# Altium PCB DIOT_PSU_integrated.PcbDoc (part 2 of 3) (continued)
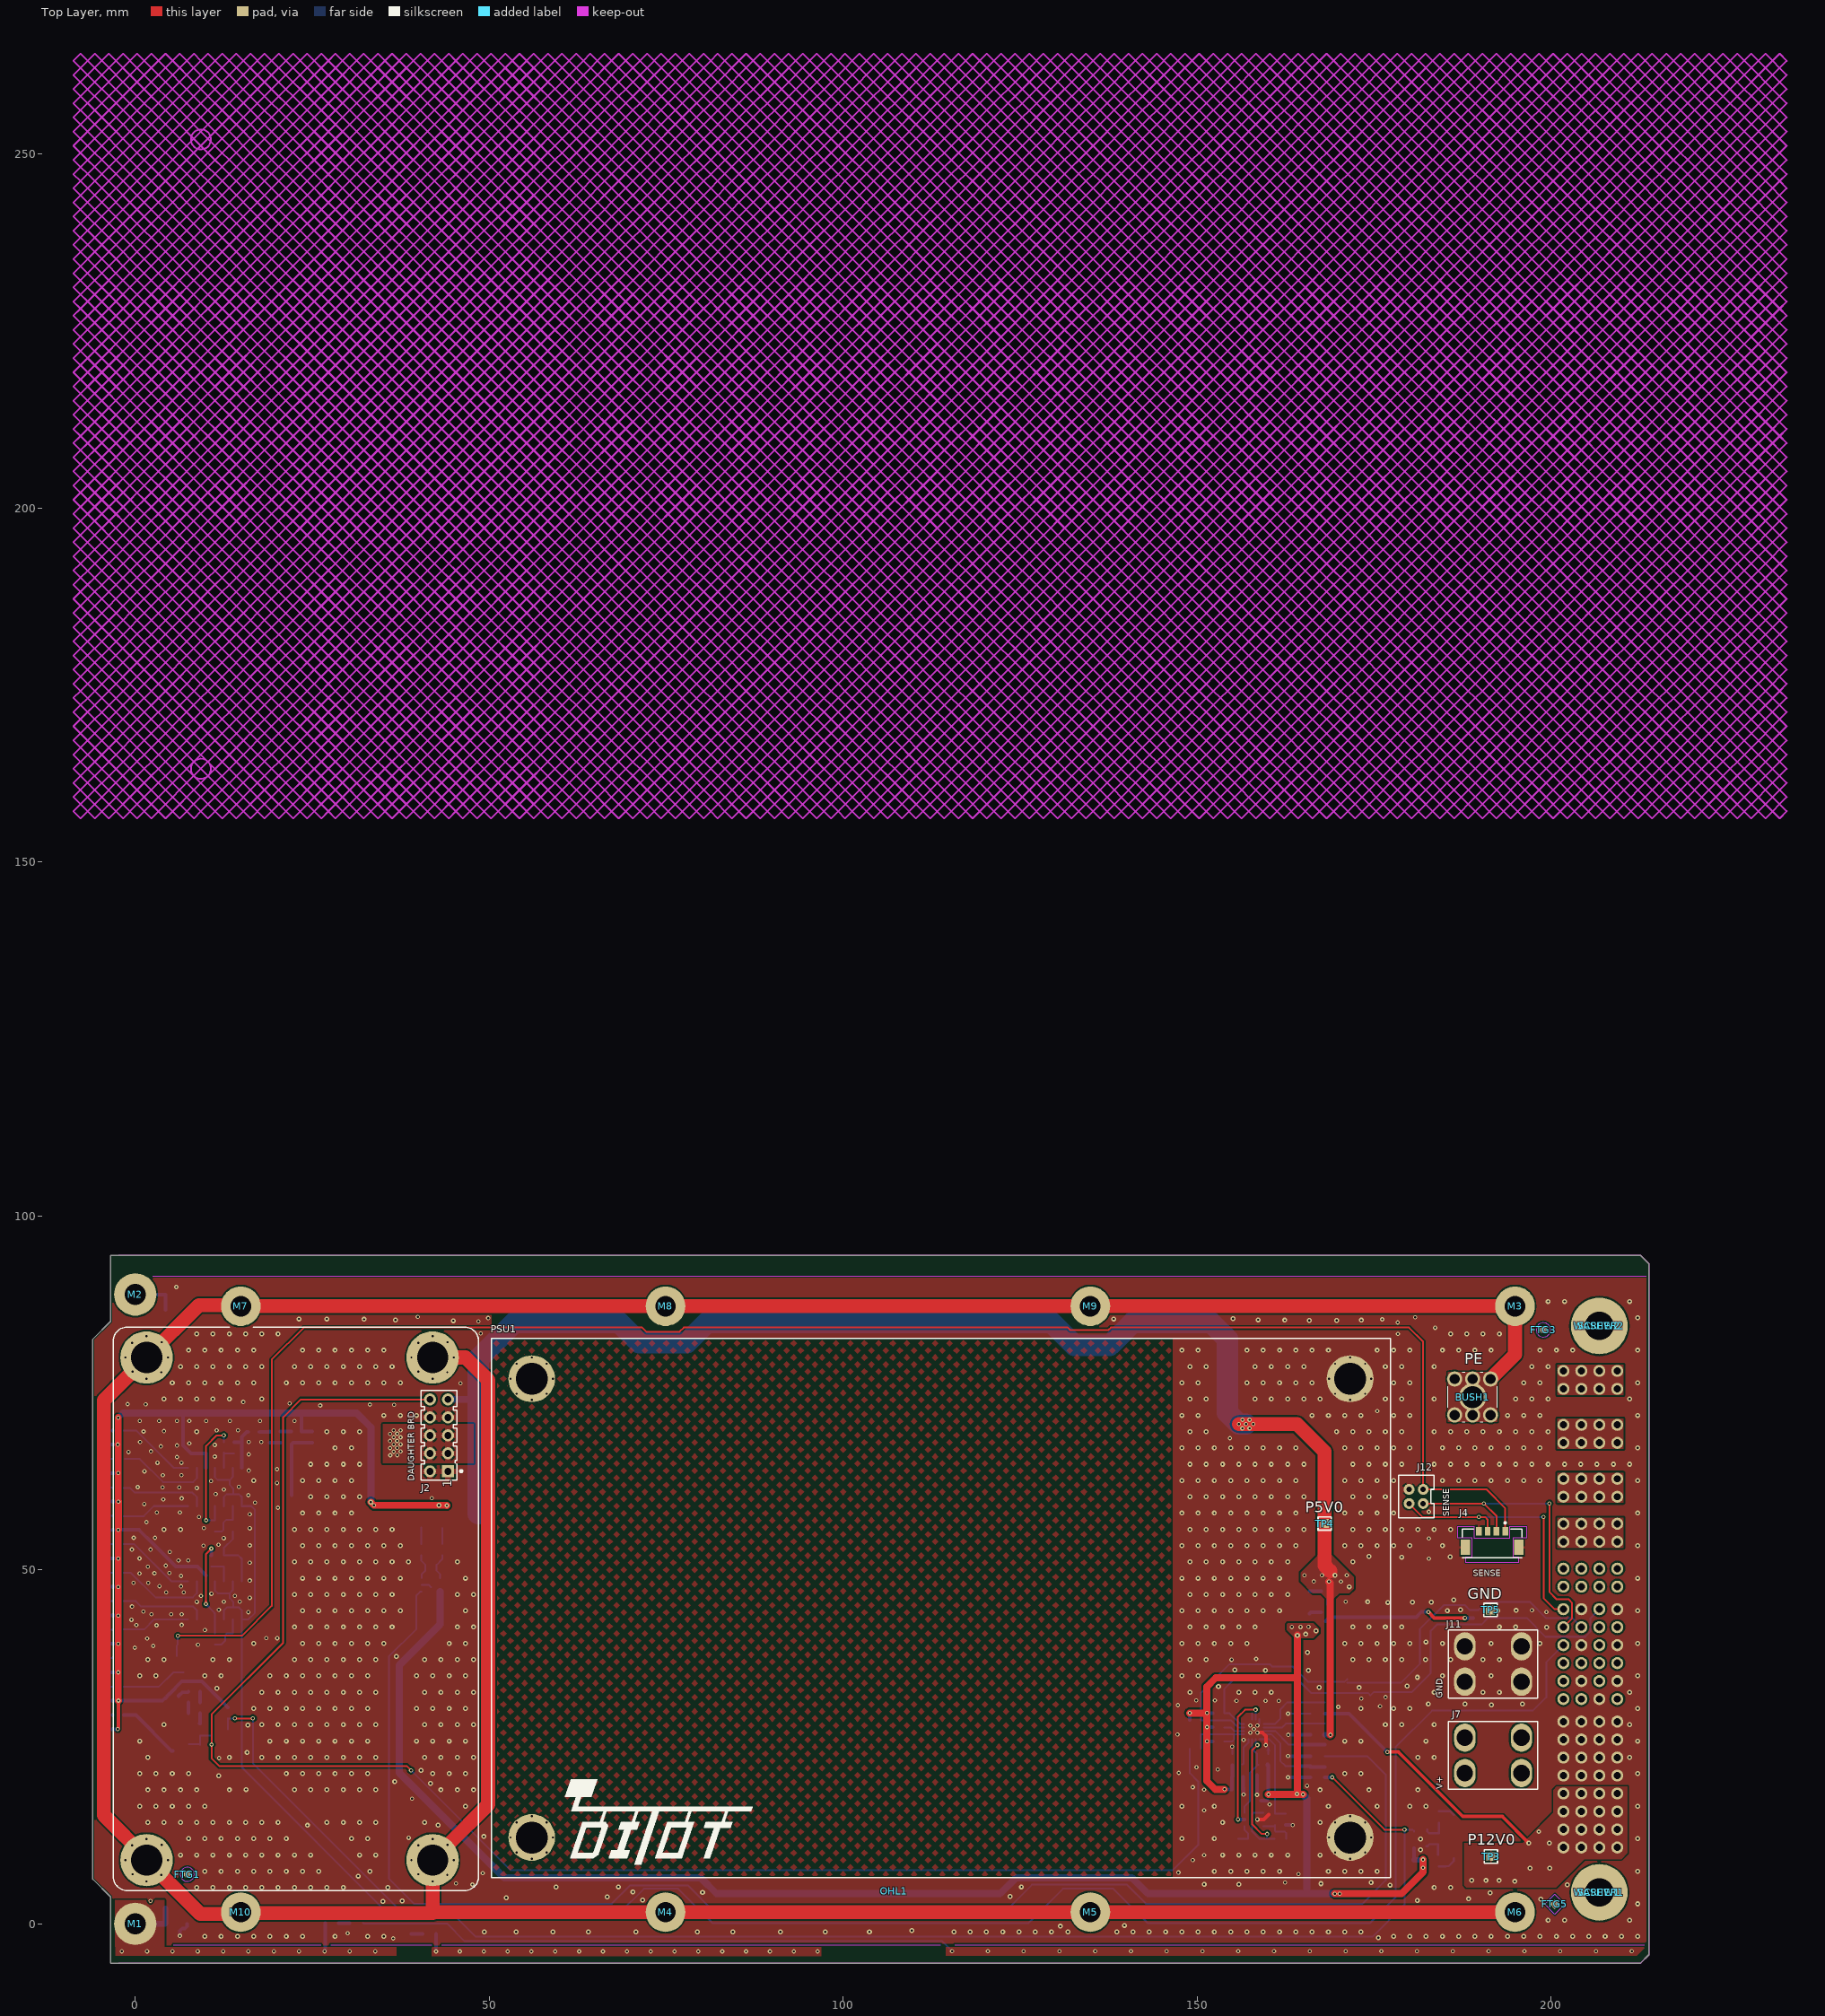
[diagram p0: Top Layer view]
## Nets (pads, with @x,y where several pads share a name; then routed paths per layer and width w, separated by ;. In a path a pad name is that pad's centre, name@x,y a point inside that pad or via, vN(x,y) a via of type N, cw(c..) or ccw(c..) an arc to the next point about the centre after c; other vN are vias at no path point) (continued)
NetIC1_1: IC1.1 R7.1 | length 11.2
  Bottom Layer w0.254: R7.1@-1.605,69.7 0.134,69.7 2.454,67.38 2.461,67.38 5.41,64.431 5.41,64.4 IC1.1@7.425,64.4
NetIC1_2: IC1.2 R15.1 | length 13.2
  Bottom Layer w0.254: R15.1@-1.52,65.68 0.641,65.68 3.9,62.421 8.171,62.421 8.695,62.945 IC1.2@8.695,64.4
NetIC1_5: IC1.5 R14.2 R16.1 | length 3.7
  Bottom Layer w0.254: R16.1@12.5,66.45 R14.2@14,66.45 ; IC1.5@12.505,64.4 R16.1@12.505,66.603
NetIC1_9: IC1.9 R37.2 R39.1 | length 5.7
  Bottom Layer w0.254: R37.2@11.25,55.45 12.244,55.45 12.46,55.667 12.46,56.71 12.8,57.05 R39.1@13.75,57.05 13.75,58.975 IC1.9@13.775,59
NetIC1_13: IC1.13 R36.1 | length 12.1
  Bottom Layer w0.254: R36.1@-1.605,61.59 -0.743,61.59 -0.077,60.924 8.076,60.924 8.695,60.305 IC1.13@8.695,59
NetIC1_14: IC1.14 R38.1 | length 9.6
  Bottom Layer w0.254: R38.1@-1.605,57.59 1.209,57.59 2.619,59 IC1.14@7.425,59
NetIC3_1: IC3.1 R21.1 | length 11.2
  Bottom Layer w0.254: R21.1@-1.605,53.633 -0.133,53.633 5.1,48.4 IC3.1@7.425,48.4
NetIC3_2: IC3.2 R23.1 | length 13.7
  Bottom Layer w0.254: R23.1@-1.605,49.59 -0.615,49.59 2.866,46.109 8.109,46.109 8.695,46.695 IC3.2@8.695,48.4
NetIC3_5: IC3.5 R22.2 R24.1 | length 3.8
  Bottom Layer w0.254: R24.1@10.75,50.45 R22.2@12.5,50.45 12.505,50.445 IC3.5@12.505,48.4
NetIC3_9: IC3.9 R26.2 R28.1 | length 5.5
  Bottom Layer w0.254: R26.2@11.25,39.45 12.14,39.45 12.708,40.018 12.708,40.763 12.995,41.05 R28.1@13.75,41.05 ; R28.1@13.775,41.075 IC3.9@13.775,43
NetIC3_13: IC3.13 R25.1 | length 12.2
  Bottom Layer w0.254: R25.1@-1.605,45.59 0.063,45.59 0.827,44.826 8.199,44.826 8.695,44.33 IC3.13@8.695,43
NetIC3_14: IC3.14 R27.1 | length 9.6
  Bottom Layer w0.254: R27.1@-1.605,41.59 1.263,41.59 2.673,43 IC3.14@7.425,43
NetIC6_1: IC6.1 IC8.14 R17.2 R44.2 | length 23.6
  Top Layer w0.254: v2(158.5,25.25) 157.75,24.5 157.75,14.05 159.1,12.7 v2(159.875,12.7)
  Bottom Layer w0.254: IC8.14@158.25,26.1 158.25,25.5 v2(158.5,25.25) ; IC6.1@159.35,15.7 157.95,15.7 157.75,15.5 157.75,13.05 R44.2@158.8,12 159.875,12 ; v2(159.875,12.7) 159.875,12 ; R17.2@160.95,12 159.875,12
NetIC6_3: IC6.3 R17.1 R18.2 | length 5.1
  Bottom Layer w0.254: IC6.3@159.35,13.8 160.85,13.8 R18.2@161,13.95 161,13.097 161.097,13 162.373,13 162.55,12.823 R17.1@162.55,12
NetIC6_4: IC6.4 R43.2 R44.1 | length 3.4
  Bottom Layer w0.254: R43.2@155.8,12 R44.1@157.2,12 157.2,12.75 156.65,13.3 IC6.4@156.65,13.8
NetLD1_1: LD1.1 R3.2 | length 1.9
  Bottom Layer w0.254: LD1.1@-5.1,37.54 -3.255,37.54 R3.2@-3.205,37.59
NetLD2_1: LD2.1 R32.2 | length 1.9
  Bottom Layer w0.25: LD2.1@-5.1,29.5 R32.2@-3.221,29.5
  Bottom Layer w0.5: R32.2@-3.221,29.5 R32.2@-3.205,29.484
NetLD11_1: LD11.1 R35.2 | length 1.9
  Bottom Layer w0.254: LD11.1@-5.1,33.52 -5.064,33.484 R35.2@-3.205,33.484
NetR4_1: R4.1 R34.1 | length 1.7
  Bottom Layer w0.5: R4.1@6.113,32.187 6.113,32.237 6.313,32.437 6.363,32.437 6.63,32.703 7.42,32.703 R34.1@7.53,32.814
NetR5_2: R5.2 R6.1 | length 1.5
  Bottom Layer w0.5: R6.1@39.025,-1.45 R5.2@40.575,-1.45
NetR10_2: R10.2 R11.1 | length 1.5
  Bottom Layer w0.508: R11.1@20.5,69.55 R10.2@22,69.55
NetR11_2: R11.2 R12.1 | length 1.5
  Bottom Layer w0.508: R12.1@19,67.95 R11.2@20.5,67.95
NetR12_2: R12.2 R13.1 | length 1.5
  Bottom Layer w0.508: R13.1@17.55,69.5 18.95,69.5 R12.2@19,69.55
NetR19_E1: R19.E1 R60.2 | length 2.3
  Bottom Layer w0.254: R60.2@43.375,53.656 R19.E1@43.375,55.956
NetR19_E2: R19.E2 R59.2 | length 2.3
  Bottom Layer w0.254: R59.2@40.375,53.656 R19.E2@40.375,56.006
NetR20_2: R20.2 R29.1 | length 1.5
  Bottom Layer w0.5: R29.1@28.752,0.098 R20.2@30.277,0.098
NetR32_1: R32.1 T3.3 | length 9
  Bottom Layer w0.5: R32.1@-1.605,29.484 0.066,29.484 5.1,24.45 T3.3@5.3,24.45
NetR34_2: R34.2 R40.2 | length 1.5
  Bottom Layer w0.5: R40.2@9.13,31.295 R34.2@9.13,32.814
NetR35_1: R35.1 T1.3 | length 9.3
  Bottom Layer w0.254: R35.1@-1.605,33.484 3.318,33.484 5.359,35.525 T1.3@6.8,35.525
NetR40_1: R40.1 R42.1 | length 1.5
  Bottom Layer w0.5: R42.1@7.53,29.767 R40.1@7.53,31.295
NetR42_2: R42.2 R45.2 | length 1.5
  Bottom Layer w0.5: R45.2@9.116,28.307 9.13,28.321 R42.2@9.13,29.767
NetR62_E1: R62.E1 R63.2 | length 2.3
  Bottom Layer w0.3: R63.2@184.15,15.887 185.751,15.887 R62.E1@186.22,15.418
NetR62_E2: R62.E2 R64.2 | length 2.8
  Bottom Layer w0.3: R64.2@184.15,8.137 185.089,8.137 185.106,8.154 185.53,8.154 186.22,8.844 R62.E2@186.22,9.268
P2V5REF: IC2.1 IC2.8 R8.1 R9.1 R10.1 | length 10.2
  Bottom Layer w0.5: IC2.1@22.095,60.55 22.095,67.805 22.24,67.95 R8.1@25,67.95
P3V3: C13.1 C14.2 C16.1 C19.1 C20.2 C21.1 C26.1 C34.1 D4.4 IC7.8 IC9.1 IC10.5 IC11.5 L1.1 L2.2 R47.2 R48.2 R49.2 R50.2 | length 299.3
  Top Layer w0.5: v4(182.65,44.05) 183.5,43.2 v4(187.8,43.2)
  Top Layer w1.016: v2(148.95,29.783) v2(151.377,29.783) ; v2(153.842,19.006) 152.527,19.006 151.377,20.157 v2(151.377,25.783) v2(151.377,27.784) v2(151.377,29.783) ; v2(160.05,18.283) 164.018,18.283 v2(164.086,18.352) ; v3(164.155,40.749) 164.155,34.733 ; v2(164.95,18.283) 164.155,18.283 v2(164.086,18.352) ; v2(169.425,4.258) v2(170.125,4.258) 178.854,4.258 181.891,7.295 v2(181.891,9.082) ; v2(151.377,29.783) 151.377,33.51 152.6,34.733 164.155,34.733 ; v2(164.086,18.352) 164.155,18.421 164.155,34.733
  Bottom Layer w0.5: C16.1@165.839,43.799 166.04,44 IC9.1@167.51,44 ; 168.135,42.73 168.73,43.325 180.95,43.325 181.675,44.05 v4(182.65,44.05) ; C34.1@180.605,9.098 IC11.5@180.605,10.699 ; v4(187.8,43.2) D4.4@188.975,43.2
  Bottom Layer w0.508: R49.2@148.95,28.783 v2(148.95,29.783) ; v2(151.377,25.783) R47.2@152.2,25.783 ; v2(151.377,27.784) R50.2@152.2,27.784 ; v2(151.377,29.783) R48.2@152.2,29.783 ; v2@153.866,19.006 C14.2@154.905,19.006 ; C14.2@154.909,19.002 C19.1@154.909,20.752 154.95,20.794 L2.2@154.95,22.405 ; L1.1@159.89,22.381 L1.1@159.89,22.5 ; L1.1@159.899,22.382 L1.1@160.05,22.231 ; L1.1@159.983,22.507 L1.1@159.983,22.541 ; v2(160.05,18.283) C21.1@160.05,19.25 C20.2@160.05,21 ; C20.2@160.05,21.033 L1.1@160.05,22.231 ; L1.1@160.05,22.382 L1.1@160.05,22.231
  Bottom Layer w0.6: v2@181.854,9.045 v2(181.891,9.082)
  Bottom Layer w0.762: v2(181.891,9.082) 181.891,7.946 v2(181.904,7.933)
  Bottom Layer w0.8: C34.1@180.649,9.045 v2@181.854,9.045
  Bottom Layer w1.016: C26.1@43.069,45.056 43.069,42.302 37.3,36.533 37.3,21.325 52.11,6.515 79.86,6.515 82.117,4.258 122.149,4.258 124.405,6.515 140.795,6.515 143.052,4.258 v2(169.425,4.258) v2(170.125,4.258) ; C26.1@43.075,45.062 IC10.5@43.075,46.906 ; v2@164.155,18.283 v2(164.95,18.283) 165.5,17.733 165.5,4.533
  other v2: 163.352,41.936 164.602,41.936 165.723,41.938
  other v3: 165.338,40.916 166.772,41.395
P5V0: C3.1 C4.1 C15.2 D3.1 IC1.3 IC3.3 IC9.3 J1.P5 J2.9 LD1.2 LD2.2 LD3.2 LD4.2 LD5.2 LD6.2 LD7.2 LD8.2 LD11.2 LD12.2 LD13.2 R4.2 R8.2 R9.2 R19.I1 R31.2 R52.1 TP4.1 | length 390.1
  Top Layer w0.5: v4(-2.477,27.5) -2.477,27.527 -2.4,27.604 -2.4,31.429 -2.394,31.435 -2.394,31.506 v4(-2.375,31.525)
  Top Layer w1: v2(-2.405,71.495) -2.405,67.774 v4(-2.477,67.702) -2.405,67.629 v4(-2.405,63.678) -2.405,59.657 v4(-2.392,59.643) -2.392,55.658 v4(-2.405,55.645) -2.405,51.6 v4(-2.411,51.594) v4(-2.411,47.608) -2.405,47.602 v4(-2.405,43.551) v4(-2.405,39.551) v4(-2.405,35.523) -2.405,33.7 -2.405,31.555 v4(-2.375,31.525) ; v3(33.275,59.575) v4(33.725,59.125) v3(42.904,59.125) 43.975,59.125 v4(44,59.1)
  Top Layer w1.016: v2(168.6,48.35) 168.787,48.163 v2@168.787,26.713
  Top Layer w2: v2(155.874,70.604) 155.878,70.6 v2(156.875,70.6) v2(157.896,70.6) 164.097,70.6 168,66.697 TP4.1@168,56.545 168,50.64 168.787,49.853
  Bottom Layer w0.254: IC3.3@9.965,48.4 9.965,49.235 ; IC1.3@9.965,64.4 IC1.3@10,64.435
  Bottom Layer w0.5: LD2.2@-5.1,27.5 v4(-2.477,27.5) ; LD11.2@-5.1,31.52 v4@-2.38,31.52 ; LD1.2@-5.1,35.54 -2.422,35.54 v4(-2.405,35.523) ; LD13.2@-5.1,39.56 -5.091,39.551 v4(-2.405,39.551) ; LD12.2@-5.1,43.58 -2.461,43.58 -2.432,43.551 v4(-2.405,43.551) ; LD8.2@-5.1,47.6 -2.419,47.6 v4(-2.411,47.608) ; LD7.2@-5.1,51.62 -2.463,51.62 -2.438,51.594 v4(-2.411,51.594) ; LD6.2@-5.1,55.64 -2.41,55.64 v4(-2.405,55.645) 0.553,55.645 2.499,53.7 ; LD5.2@-5.1,59.66 -2.408,59.66 v4(-2.392,59.643) ; LD4.2@-5.1,63.68 -2.407,63.68 v4(-2.405,63.678) ; LD3.2@-5.1,67.7 -2.479,67.7 v4(-2.477,67.702) ; v4(-2.375,31.525) 3.851,31.525 4.263,31.937 4.313,31.937 4.513,32.137 4.513,32.237 4.713,32.437 4.763,32.437 6.571,34.245 9.429,34.245 11.753,31.922 12.845,30.829 12.845,30.779 13.045,30.579 R31.2@13.095,30.579 ; C15.2@165.839,46.999 IC9.3@167.51,47
  Bottom Layer w0.508: 2.499,53.7 5.749,50.45 C4.1@8.75,50.45 9.965,49.235 ; 6.745,72.15 6.745,67.57 7.865,66.45 C3.1@10,66.45 IC1.3@10,64.435 ; 23.525,72.15 23.5,72.125 R9.2@23.5,69.55 R8.2@25,69.55
  Bottom Layer w0.762: R52.1@168,26.7 v2(168.8,26.7)
  Bottom Layer w0.8: v2(-2.405,71.495) -1.75,72.15
  Bottom Layer w1: -1.75,72.15 6.745,72.15 23.525,72.15 31.275,72.15 33.275,70.15 v3(33.275,59.575) v4(33.725,59.125) ; J2.9@44.17,74.08 48.357,74.08 48.45,74.173
  Bottom Layer w3: D3.1@48.45,57.925 48.45,74.173 48.45,79.825 53.575,84.95 68.341,84.95 71.191,82.1 77.9,82.1 80.75,84.95 129.425,84.95 132.65,81.725 137.65,81.725 140.875,84.95 151.95,84.95 154.271,82.629 154.271,72.207 v2(155.874,70.604) 155.878,70.6 v2(156.875,70.6)
  other v2: 170.295,48.35 166.475,48.375 165.15,49.25 167.625,49.25 171.116,49.25 156.374,70 157.386,70 156.4,71.2 157.386,71.2
  other v3: 171.485,47.62 169.475,49.25
P5V0_SB: J2.3 J2.4 J2.5 J2.6 R19.I2
  other v2: 36.026,66.186 37.006,66.206 36.506,66.706 37.486,66.726 36.006,67.206 36.986,67.226 36.486,67.726 37.486,67.726 36.006,68.206 36.986,68.226 36.486,68.726 37.486,68.726 36.006,69.206 36.986,69.226 36.486,69.726 37.486,69.726
P12V0: D5.1 J1.P8 J1.P9 R53.1 R62.I2 TP3.1 | length 36.4
  Top Layer w0.508: v2(176.85,24.275) 178.39,24.275 187.515,15.15 193.103,15.15 v3(196.85,11.403)
  Bottom Layer w0.508: R53.1@168,29.7 171.425,29.7 v2(176.85,24.275)
  other v3: 194.845,6 190.775,6.125 192.625,6.125 188.775,6.15 197.025,7.875 199.8,7.875 199.725,11.393
  other v4: 198.24,13.019
P12V0_RSENS: J7.1 R62.I1
P12V_Sense: J1.D2 J4.2 J12.2 | length 42.8
  Top Layer w0.254: J12.2@181.925,59.375 v4(190.5,59.375) 192.3,57.575 J4.2@192.3,55.475 ; v4(199.746,59.381) 199.746,46.879 200.775,45.85 202.448,45.85 202.96,45.337 202.96,43.15 J1.D2@201.72,41.91
  Bottom Layer w0.254: v4(190.5,59.375) 199.74,59.375 v4(199.746,59.381)
P_IO0: J1.C4
P_IO1: J1.C6
P_IO2: J1.B4
P_PRES0: J1.D5
P_PRES1: J1.D6
P_RST: J1.B5
PE: BUSH1.1 M3.1 M4.1 M5.1 M6.1 M7.1 M8.1 M9.1 M10.1 MP9.1 MP10.1 MP11.1 MP12.1 | length 649.9
  Top Layer w0.25: v3(-0.437,82.088) -0.665,82.088 0.247,83 v3(1.6,83) ; v3(-0.4,7) 0.6,6 v3(1.6,6) ; MP12.1@-0.263,11.263 v3(-0.437,11.088) -1.4,10.125 v3(-1.4,9) 1.008,9 MP12.1@1.6,9 ; MP12.1@0.528,10.928 v3(1.6,12) 2.885,12 v3(3.722,11.163) 4.6,10.285 v3(4.6,9) MP12.1@3.677,8.077 ; MP12.1@1.6,8.997 MP12.1@1.6,9 ; MP11.1@1.6,80 1.6,79.997 v3(3.677,77.92) 4.6,78.842 v3(4.6,80) ; v3(3.677,6.92) 3.677,6.923 MP12.1@1.6,9 ; v3(39,9) MP9.1@42,9 ; v3(39.963,11.088) MP9.1@42,9.051 ; MP10.1@39.999,78.001 39.837,77.837 v3(40,78) ; v3(40,7) MP9.1@40.5,7.5 ; v3(44.077,6.92) 44.077,6.923 MP9.1@42,9 ; v3(44.122,82.163) 44.122,80.878 v3(45,80) ; v3(40,78) 40.908,77.092 42.4,77.092 42.308,77 43.158,77 v3(44.077,77.92) 45,78.842 v3(45,80) ; v3(40,78) 39,79 v3(39,80) 39,81.125 v3(39.963,82.088) 40.875,83 v3(42,83) MP10.1@42,80 ; v3(40,78) MP10.1@42,80 ; MP9.1@40.5,7.5 v3(42,6) MP9.1@42,9 ; MP9.1@40.5,7.5 MP9.1@42,9 ; MP9.1@42,9 MP9.1@42,9.051 ; MP9.1@42,9 v3(45,9) 44.122,9.878 44.122,11.122 v3(44.122,11.163) 43.285,12 v3(42,12) MP9.1@42,9.051 ; MP10.1@42,80 v3(45,80)
  Top Layer w2: MP12.1@1.6,9 1.6,9.291 -4.436,15.326 -4.436,73.961 v3(-0.4,78) MP11.1@1.6,79.997 ; MP11.1@1.6,80 8.985,87.385 12.13,87.385 M7.1@14.9,87.385 ; v3(3.677,6.92) 9.187,1.41 14.66,1.41 M10.1@14.9,1.65 ; M10.1@14.9,1.515 17.67,1.515 42,1.515 v3(42,6) ; M7.1@14.9,87.25 M8.1@74.9,87.25 M9.1@134.9,87.25 M3.1@194.9,87.25 194.9,80.425 BUSH1.1@191.44,76.965 ; 42,1.65 M4.1@74.9,1.65 M6.1@194.9,1.65 ; MP9.1@42,9 44.122,11.122 49.85,16.85 49.85,76.8 46.65,80 v3(45,80)
  Bottom Layer w0.25: v3(-1.4,80) MP11.1@1.6,80 ; MP11.1@1.6,77.127 MP11.1@1.6,80 ; v3(1.6,83) MP11.1@1.6,80
  other v3: 1.6,77 42,77 3.722,82.163
PG: J4.1 J12.4 R30.2 T1.1 | length 255.4
  Top Layer w0.254: v2(6,40.675) 6.021,40.696 15.071,40.696 19.283,44.908 19.283,79.709 23.799,84.225 71.585,84.225 72.185,83.625 76.89,83.625 77.49,84.225 131.735,84.225 132.084,83.876 137.455,83.876 137.804,84.225 179.922,84.225 181.925,82.222 J12.4@181.925,61.375 190.85,61.375 193.525,58.7 J4.1@193.525,55.475
  Bottom Layer w0.254: T1.1@5.85,37.825 R30.2@5.85,39.3 ; R30.2@6,39.45 v2(6,40.675)
PRST_N: J1.A6
PS-ON: J2.10 R33.2 R41.2 R45.1 T2.3 T3.1 | length 241.6
  Top Layer w0.254: v2(38.95,21.671) 38.321,22.3 11.85,22.3 10.774,23.376 v2(10.774,25.325) 10.774,29.599 20.883,39.708 20.883,71.56 23.402,74.08 J2.10@41.63,74.08
  Bottom Layer w0.254: T3.1@7.6,25.4 9.014,25.4 R33.2@9.164,25.25 9.164,26.615 10.705,26.615 T2.3@10.774,26.545 v2(10.774,25.325) ; v2(38.95,21.671) 38.95,21.65 53.05,7.55 146.525,7.55 150.15,11.175 150.15,20.075 148.95,21.275 R41.2@148.95,24.775
PS_ON_N: D1.1 J1.D3 R31.1 T2.1 | length 244.4
  Top Layer w0.254: v2(14.05,29.025) v2(16.61,29.025)
  Bottom Layer w0.254: T2.1@13.074,27.495 13.074,29.004 13.095,29.025 v2(14.05,29.025) ; v2(16.61,29.025) 16.61,22.665 37.76,1.515 68.39,1.515 71.843,4.968 76.678,4.968 81.546,0.1 126.175,0.1 131.041,4.966 138.159,4.966 143.025,0.1 174.4,0.1 178.025,3.725 178.025,18.175 178.025,24.95 183.189,30.114 197.414,30.114 199.3,32 199.3,36.95 J1.D3@201.72,39.37
PWRBTN_N: J1.A4
PWRCON: IC6.5 IC8.7 | length 19.7
  Top Layer w0.254: v2(155.75,14.75) 155.75,29.25 156.75,30.25 v2(158.25,30.25)
  Bottom Layer w0.254: IC8.7@158.25,28.9 v2(158.25,30.25)
  Bottom Layer w0.508: v2(155.75,14.75) IC6.5@156.65,14.75
PWRFAIL_N: J1.D4
RTN_Sense: J1.D1 J4.3 J12.1 | length 37.7
  Top Layer w0.254: J12.1@179.925,59.375 181.825,57.475 v4(189.8,57.475) 190.656,57.475 191.025,57.106 J4.3@191.025,55.475 ; v4(198.927,57.469) 198.927,46.02 200.497,44.45 J1.D1@201.72,44.45
  Bottom Layer w0.254: v4(189.8,57.475) 198.921,57.475 v4(198.927,57.469)
STRIP1: R20.1 | length 84.8
  Bottom Layer w0.254: R20.1@32.177,0.098 32.232,0.043 44.032,0.043 46.525,-2.45 113.974,-2.45 v2(115.374,-3.85)
  other v2: 120.427,-3.85 125.479,-3.85 130.532,-3.85 135.585,-3.85 140.637,-3.85 145.69,-3.85 150.743,-3.85 155.795,-3.85 160.848,-3.85 165.9,-3.85 170.953,-3.85 176.006,-3.85 181.058,-3.85 186.111,-3.85 191.164,-3.85 196.216,-3.85 201.269,-3.85 206.321,-3.85 211.374,-3.85
STRIP2: R5.1 | length 2.5
  Bottom Layer w0.5: R5.1@42.475,-1.45 42.475,-3.893 v2(42.482,-3.9)
  other v2: 45.851,-3.9 49.219,-3.9 52.588,-3.9 55.957,-3.9 59.326,-3.9 62.694,-3.9 66.063,-3.9 69.432,-3.9 72.801,-3.9 76.169,-3.9 79.538,-3.9 82.907,-3.9 86.276,-3.9 89.644,-3.9 93.013,-3.9 96.382,-3.9
Vext1: J1.P1
Vext2: J1.P2
Vext3: J1.P3
Vext4: J1.P4
pads on no net: FTG1.FTG2 FTG2.FTG2 FTG3.FTG2 FTG4.FTG2 FTG5.1 FTG6.1 IC2.4 IC2.5 IC7.7 J1.MTG1 J1.MTG2 LD1.3 LD2.3 LD3.3 LD4.3 LD5.3 LD6.3 LD7.3 LD8.3 LD11.3 LD12.3 LD13.3

## Polygon pours and split planes (outlines as drawn)
GND on Top Layer "Top Layer-GND" (solid, remove dead copper, pour order 113): 177.285,-5.55 191.571,-5.548 212.461,-5.548 ccw(c212.461,-4.348) 213.661,-4.348 213.661,93.252 ccw(c212.461,93.252) 212.461,94.452 177.285,94.452 177.285,91.691 50.248,91.691 50.248,82.715 146.575,82.715 146.575,6.515 50.248,6.515 50.248,-2.791 177.285,-2.791
GND on Top Layer "70" (solid, remove dead copper, pour order 112): 50.285,94.452 50.285,-5.55 41.609,-5.548 -2.509,-5.548 cw(c-2.509,-4.348) -3.709,-4.348 -3.709,3.802 -3.709,3.868 -6.139,6.298 -6.139,82.672 -3.709,85.102 -3.709,93.252 cw(c-2.509,93.252) -2.509,94.452
no net on Top Layer "NONET_L02_P-001" (solid, pour order 116): 50.285,82.715 177.285,82.715 177.285,6.515 50.285,6.515
P3V3 on Top Layer "NONET_L03_P-001" (solid, pour order 96): 162.811,42.482 166.393,42.482 167.15,41.725 167.15,41.125 166.398,40.373 163.828,40.373 162.687,41.514 162.687,42.32
P5V0 on Top Layer "NONET_L03_P-001" (solid, pour order 97): 167.51,46.738 168.398,45.85 169.159,45.85 170.048,46.738 171.503,46.738 172.125,47.36 172.125,48.975 168.925,52.175 167.175,52.175 164.643,49.643 164.643,48.388 166.293,46.738
P5V0_SB on Top Layer "NONET_L02_P-001" (solid, remove dead copper, pour order 99): 47.775,65.075 35,65.075 35,70.575 47.775,70.575
PE on Top Layer "NONET_L03_P-001" (solid, pour order 72): 185.4,77.925 192.4,77.925 192.4,70.925 185.4,70.925 185.4,77.925
STRIP1 on Top Layer "esd1" (solid, pour order 79): 212.064,-4.5 212.081,-4.5 213.321,-3.26 114.531,-3.26 114.531,-4.5
STRIP2 on Top Layer "STRIP2_L01_P082" (solid, pour order 82): 79.814,-4.55 96.881,-4.55 96.881,-3.27 41.881,-3.27 41.881,-4.55
CHASSIS on Top Layer "esd1" (solid, pour order 90): -2.8,-3.27 36.881,-3.27 36.881,-4.5 -2.8,-4.5
CHASSIS on Top Layer "NONET_L04_P-001" (solid, remove dead copper, pour order 91): -2.846,-3.323 -2.846,3.357 4.143,3.357 4.143,-3.293
P12V0 on Top Layer "NONET_L03_P-001" (solid, pour order 98): 187.67,11.403 187.67,5.48 188,5.15 200.672,5.15 204.672,9.15 209.912,9.15 210.781,10.019 210.781,19.38 200.777,19.38 200.307,18.91 200.307,15.715 195.996,11.403
Vext1 on Top Layer "NONET_L02_P-001" (solid, pour order 101): 200.87,78.96 200.87,74.72 210.19,74.72 210.19,78.96
Vext2 on Top Layer "NONET_L02_P-001" (solid, pour order 102): 200.87,71.34 200.87,67.1 210.19,67.1 210.19,71.34
Vext3 on Top Layer "NONET_L02_P-001" (solid, pour order 110): 200.87,63.72 200.87,59.48 210.19,59.48 210.19,63.72
Vext4 on Top Layer "NONET_L02_P-001" (solid, pour order 111): 200.87,57.37 200.87,53.13 210.19,53.13 210.19,57.37
GND on Bottom Layer "NONET_L02_P-001" (solid, remove dead copper, pour order 115): -3.709,3.802 -6.139,6.302 -6.139,82.602 -3.639,85.102 -3.639,94.452 -2.549,94.451 cw(c-2.509,93.241) -2.509,94.452 212.461,94.452 cw(c212.461,93.252) 213.661,93.252 213.661,-4.348 cw(c212.461,-4.348) 212.461,-5.548 -2.509,-5.548 cw(c-2.509,-4.348) -3.709,-4.348
P3V3 on Bottom Layer "NONET_L03_P-001" (solid, pour order 100): 168.331,44.661 168.787,44.205 168.787,41.255 167.905,40.373 164.778,40.373 163.655,39.25 163.655,38.425 163.398,38.168 161.292,38.168 161.119,38.341 161.119,39.445 161.266,39.591 161.266,41.091 162.855,42.68 164.61,42.68 164.901,42.971 164.901,44.135 165.426,44.661
CHASSIS on Bottom Layer "Bottom Layer-CHASSIS" (solid, remove dead copper, pour order 55): -2.8,-3.323 -2.8,-4.5 36.881,-4.5 36.881,-3.27 4.9,-3.27 4.9,3.475 -2.839,3.475 -2.839,-3.323
P5V0 on Bottom Layer "NONET_L02_P-001" (solid, remove dead copper, pour order 107): 52.225,62.425 42.275,62.425 42.275,55.075 52.225,55.075
P5V0_SB on Bottom Layer "07" (solid, remove dead copper, pour order 108): 41.044,65.444 45.44,65.444 45.44,70.016 44.932,70.524 42,70.575 35.475,70.575 35.475,58.225 37.194,56.506 41.375,56.506 41.525,56.656 41.525,59.623 40.36,60.788 40.36,64.936 40.536,64.936
STRIP1 on Bottom Layer "esd1" (solid, pour order 61): 212.064,-4.5 212.081,-4.5 213.321,-3.26 114.531,-3.26 114.531,-4.5
STRIP2 on Bottom Layer "STRIP2_L02_P083" (solid, pour order 83): 79.814,-4.55 96.881,-4.55 96.881,-3.27 41.881,-3.27 41.881,-4.55
P5V0 on Bottom Layer "NONET_L02_P-001" (solid, remove dead copper, pour order 87): 172.26,49.575 164.643,49.575 164.643,46.842 165.036,46.45 200.54,46.45 200.87,46.78 210.19,46.78 210.19,51.02 173.705,51.02
P12V0 on Bottom Layer "Top Layer-P12V0" (solid, remove dead copper, pour order 114): 187.67,6.6 189.07,5.2 195.45,5.2 197.575,7.325 203.575,7.325 204.5,8.25 209.012,8.25 210.781,10.019 210.781,19.38 200.307,19.38 200.307,17.157 194.71,11.56 187.67,11.56
P12V0_RSENS on Bottom Layer "NONET_L02_P-001" (solid, pour order 109): 195.29,13.226 195.29,16.19 198.059,19 198.059,28.543 185.446,28.543 185.446,18.959 186.377,18.959 187.67,17.666 187.67,13.226
no net on Top Solder "NONET_L03_P-001" (solid): 212.6,94.45 213.8,93.25 213.8,91.95 -3.57,91.95 -3.57,94.45 212.6,94.45
no net on Top Solder "NONET_L03_P-001" (solid): -3.57,-3.05 -3.57,-5.55 212.63,-5.55 212.63,-5.52 213.8,-4.35 213.8,-3.05
no net on Top Solder "NONET_L03_P-001" (solid): -3.212,-3.075 -3.212,1.463 -1.45,3.225 1.399,3.225 3.159,1.465 3.159,-2.584 3.65,-3.075
no net on Bottom Solder "NONET_L03_P-001" (solid): 212.6,94.45 213.8,93.25 213.8,91.95 -3.57,91.95 -3.57,94.45 212.6,94.45
no net on Bottom Solder "NONET_L03_P-001" (solid): -3.57,-3.05 -3.57,-5.55 212.63,-5.55 212.63,-5.52 213.8,-4.35 213.8,-3.05
no net on Bottom Solder "NONET_L03_P-001" (solid): -3.212,-3.075 -3.212,1.463 -1.45,3.225 1.399,3.225 3.159,1.465 3.159,-2.584 3.65,-3.075

## Keep-outs
Keep-Out Layer:
  drawing of 8327 lines, arcs and shapes, not listed

## Other copper
Bottom Layer:
  pour cut-out: 168,31.3 168,20.7 164,20.7 164,31.3
  pour cut-out: 41.4,67.55 42.6,67.55 42.6,70.05 41.4,70.05
  pour cut-out: 158.785,16.254 158.321,16.254 158.321,16.935
  pour cut-out: 200.307,28.859 200.307,19.38 198.363,19.38 198.363,28.859
  pour cut-out: 185.38,13.283 185.38,11.403 195.29,11.403 195.29,13.283

## Silkscreen, mask and mechanical layers (free items; w line width, h text height)
Top Overlay:
  drawing of 10 lines, arcs and shapes, not listed
  text "PE" at 187.729,79.079 h1.52
  text "DAUGHTER BRD" at 39.738,62.575 h1.5 r90
  text "P5V0" at 165.231,58.136 h1.52
  text "SENSE" at 185.925,57.525 h1.5 r90
  text "SENSE" at 188.95,48.825 h1.5
  text "GND" at 188.178,45.911 h1.52
  text "GND" at 184.975,31.9 h1.5 r90
  text "V+" at 184.975,19 h1.5 r90
  text "P12V0" at 188.229,11.154 h1.52
Bottom Overlay:
  drawing of 16 lines, arcs and shapes, not listed
  text "POWER %" at 4.863,71.875 h1.5
  text "100" at 3.996,69.854 h1.52
  text "75" at 3.996,61.854 h1.52
  text "50" at 3.996,54.029 h1.52
  text "25" at 3.996,45.704 h1.52
  text "0" at 3.996,39.154 h1.52
  text "SCL" at 174.421,36.004 h1.52
  text "P5V0" at 4.222,35.129 h1.52
  text "PG" at 1.175,30.754 h1.52
  text "SDA" at 177.746,29.329 h1.52
  text "PS_ON" at 5.746,26.983 h1.52
  text "DIOT_PSU / Front Interface" at 142.25,16.575 h2
Top Paste:
  text ".Layer_Name" at 105.071,-22.101 h1.91
Bottom Paste:
  text ".Layer_Name" at 145.711,-22.101 h1.91
Top Solder:
  text ".Layer_Name" at 105.071,-19.561 h1.91
Bottom Solder:
  text ".Layer_Name" at 145.711,-19.561 h1.91
Board outline:
  lines w0.025: 184.082,104.63 186.961,107.51 190.009,110.558 193.057,113.606 194.581,115.13 ; 184.082,106.154 185.437,107.51 188.485,110.558 191.533,113.606 194.581,116.654 ; 184.082,107.678 186.961,110.558 190.009,113.606 193.057,116.654 194.581,118.178 ; 184.082,109.202 185.437,110.558 188.485,113.606 191.533,116.654 194.581,119.702 ; 184.082,110.726 186.961,113.606 190.009,116.654 193.057,119.702 194.581,121.226 ; 184.082,112.25 185.437,113.606 188.485,116.654 191.533,119.702 194.581,122.75 ; 184.082,113.774 186.961,116.654 190.009,119.702 193.057,122.75 194.581,124.274 ; 184.082,115.298 185.437,116.654 188.485,119.702 191.533,122.75 194.581,125.798 ; 184.082,116.822 186.961,119.702 190.009,122.75 193.057,125.798 ; 184.082,118.346 185.437,119.702 188.485,122.75 191.533,125.798 ; 184.082,119.87 186.961,122.75 190.009,125.798 ; 184.082,121.394 185.437,122.75 188.485,125.798 ; 184.082,122.918 186.961,125.798 ; 184.082,124.442 185.437,125.798 ; 185.437,104.462 188.485,107.51 191.533,110.558 194.581,113.606 ; 186.961,104.462 190.009,107.51 193.057,110.558 194.581,112.082 ; 188.485,104.462 191.533,107.51 194.581,110.558 ; 190.009,104.462 193.057,107.51 194.581,109.034 ; 191.533,104.462 194.581,107.51 ; 193.057,104.462 194.581,105.986
  lines w0.1: -9.57,44.45 -6.506,44.45 ; -6,6.3 -6,82.6 -3.5,85.1 -3.5,94.45 212.6,94.45 213.8,93.25 213.8,-4.38 212.63,-5.55 -3.5,-5.55 -3.5,3.8 -6,6.3
  lines w0.381: 113.336,107.51 122.181,107.51 141.605,107.51 158.431,107.51 171.565,107.51 184.082,107.51 194.581,107.51 ; 113.336,110.558 122.181,110.558 141.605,110.558 158.431,110.558 171.565,110.558 184.082,110.558 194.581,110.558 ; 113.336,113.606 122.181,113.606 141.605,113.606 158.431,113.606 171.565,113.606 184.082,113.606 194.581,113.606 ; 113.336,116.654 122.181,116.654 141.605,116.654 158.431,116.654 171.565,116.654 184.082,116.654 194.581,116.654 ; 113.336,119.702 122.181,119.702 141.605,119.702 158.431,119.702 171.565,119.702 184.082,119.702 194.581,119.702 ; 113.336,122.75 122.181,122.75 141.605,122.75 158.431,122.75 171.565,122.75 184.082,122.75 194.581,122.75 ; 113.336,125.798 194.581,125.798 ; 122.181,128.846 122.181,104.462 ; 141.605,128.846 141.605,104.462 ; 158.431,128.846 158.431,104.462 ; 171.565,128.846 171.565,104.462 ; 184.082,128.846 184.082,104.462 ; 122.181,104.462 141.605,104.462 ; 122.181,104.462 113.336,104.462 113.336,128.846 194.581,128.846 194.581,104.462 184.082,104.462 ; 141.605,104.462 158.431,104.462 ; 158.431,104.462 171.565,104.462 ; 171.565,104.462 184.082,104.462
  text "Layer" at 115.114,126.56 h1.52
  text "Name" at 123.959,126.56 h1.52
  text "Material" at 143.383,126.56 h1.52
  text "Thickness" at 160.209,126.56 h1.52
  text "Constant" at 173.343,126.56 h1.52
  text "Stack" at 185.86,126.56 h1.52
  text "Top Overlay" at 123.959,123.512 h1.52
  text "Top Solder" at 123.959,120.464 h1.52
  text "Solder Resist" at 143.383,120.464 h1.52
  text "0.020mm" at 160.209,120.464 h1.52
  text "3.5" at 173.343,120.464 h1.52
  text "1" at 115.114,117.416 h1.52
  text "Top Layer" at 123.959,117.416 h1.52
  text "0.070mm" at 160.209,117.416 h1.52
  text "Dielectric 2" at 123.959,114.368 h1.52
  text "FR-4" at 143.383,114.368 h1.52
  text "1.550mm" at 160.209,114.368 h1.52
  text "4.3" at 173.343,114.368 h1.52
  text "2" at 115.114,111.32 h1.52
  text "Bottom Layer" at 123.959,111.32 h1.52
  text "0.070mm" at 160.209,111.32 h1.52
  text "Bottom Solder" at 123.959,108.272 h1.52
  text "Solder Resist" at 143.383,108.272 h1.52
  text "0.020mm" at 160.209,108.272 h1.52
  text "3.5" at 173.343,108.272 h1.52
  text "Bottom Overlay" at 123.959,105.224 h1.52
  text "Total board thickness:" at 115.114,102.176 h1.52
  text "1.730mm" at 160.209,102.176 h1.52
Corners:
  lines w0.2: -8.57,-5.55 -3.57,-5.55 -3.57,-10.55 ; -8.57,94.45 -3.57,94.45 -3.57,99.45 ; 213.8,-10.55 213.8,-5.55 218.8,-5.55 ; 213.8,99.45 213.8,94.45 218.8,94.45
  lines w0.254: 75.861,-32.261 75.861,-27.181 ; 80.941,-32.261 80.941,-27.181 ; 86.021,-32.261 86.021,-27.181 ; 70.781,-32.261 91.101,-32.261 91.101,-27.181 70.781,-27.181 70.781,-32.261
Title Block:
  circle w0.305: c5.376,-19.561 r3.81
  lines w0.254: 3.471,-20.823 ccw(c7.916,-20.831) 4.183,-18.417 ; 12.361,-20.831 12.361,-16.386 ; 14.901,-24.006 56.811,-24.006 ; 14.901,-20.831 56.811,-20.831 ; 14.901,-17.656 56.811,-17.656 ; 28.871,-27.181 28.871,-14.481 ; 0.931,-27.181 0.931,-14.481 13.631,-14.481 13.631,-27.181 0.931,-27.181 ; 14.901,-27.181 14.901,-14.481 56.811,-14.481 56.811,-27.181 14.901,-27.181
  lines w0.305: 1.82,-20.933 2.836,-24.006 ; 4.868,-27.054 7.941,-22.38 ; 5.376,-15.751 12.996,-15.116 ; 9.109,-18.799 11.726,-27.181
  text "Number" at 16.171,-17.021 h1.91
  text "EDA-04213-V3" at 30.141,-17.021 h1.91
  text "Lukasz Pajak" at 30.1,-19.9 h1.91
  text "Drawn By" at 16.171,-20.196 h1.91
  text "CERN" at 2.201,-20.45 h2.54
  text "DATE" at 16.171,-23.371 h1.91
  text ".Print_Date" at 30.141,-23.371 h1.91
  text "Marta Fafara" at 30.075,-26.475 h1.91
  text "MOD." at 16.171,-26.546 h1.91
  text "Print Date" at 16.171,-29.721 h1.27
  text ".Print_Date" at 31.411,-29.721 h1.27
  text ".Print_Time" at 44.111,-29.721 h1.27
  text ".Print_Scale" at 16.171,-31.626 h1.27
  text "Altium Designer Rev" at 16.069,-33.515 h1.27
  text "'.Application_BuildNumber'" at 35.221,-33.531 h1.27
Notvisible:
  lines w0.254: 70.781,-25.911 91.101,-25.911 ; 73.956,-25.911 81.576,-18.291 ; 79.036,-25.911 86.656,-18.291 ; 84.116,-25.911 91.736,-18.291 ; 89.196,-25.911 96.816,-18.291
  text "(stackup drawing useless as done only to specify 70um copper thickness, done on the specification file)" at 82.105,143.5 h1.91